# Altium PCB fmuvxX-baseT1.PcbDoc (part 1 of 5)
Units mm, origin at the board's own origin, x right, y up, seen from the top; angles counter-clockwise.
Board outline 88 x 47 mm, 6 copper layers (Top Layer, Layer 2, Signal Layer 3, Signal Layer 4, Layer 5, Bottom Layer), stack 1.548 mm thick; 363 components, 295 nets, 1451 pads, 844 vias.
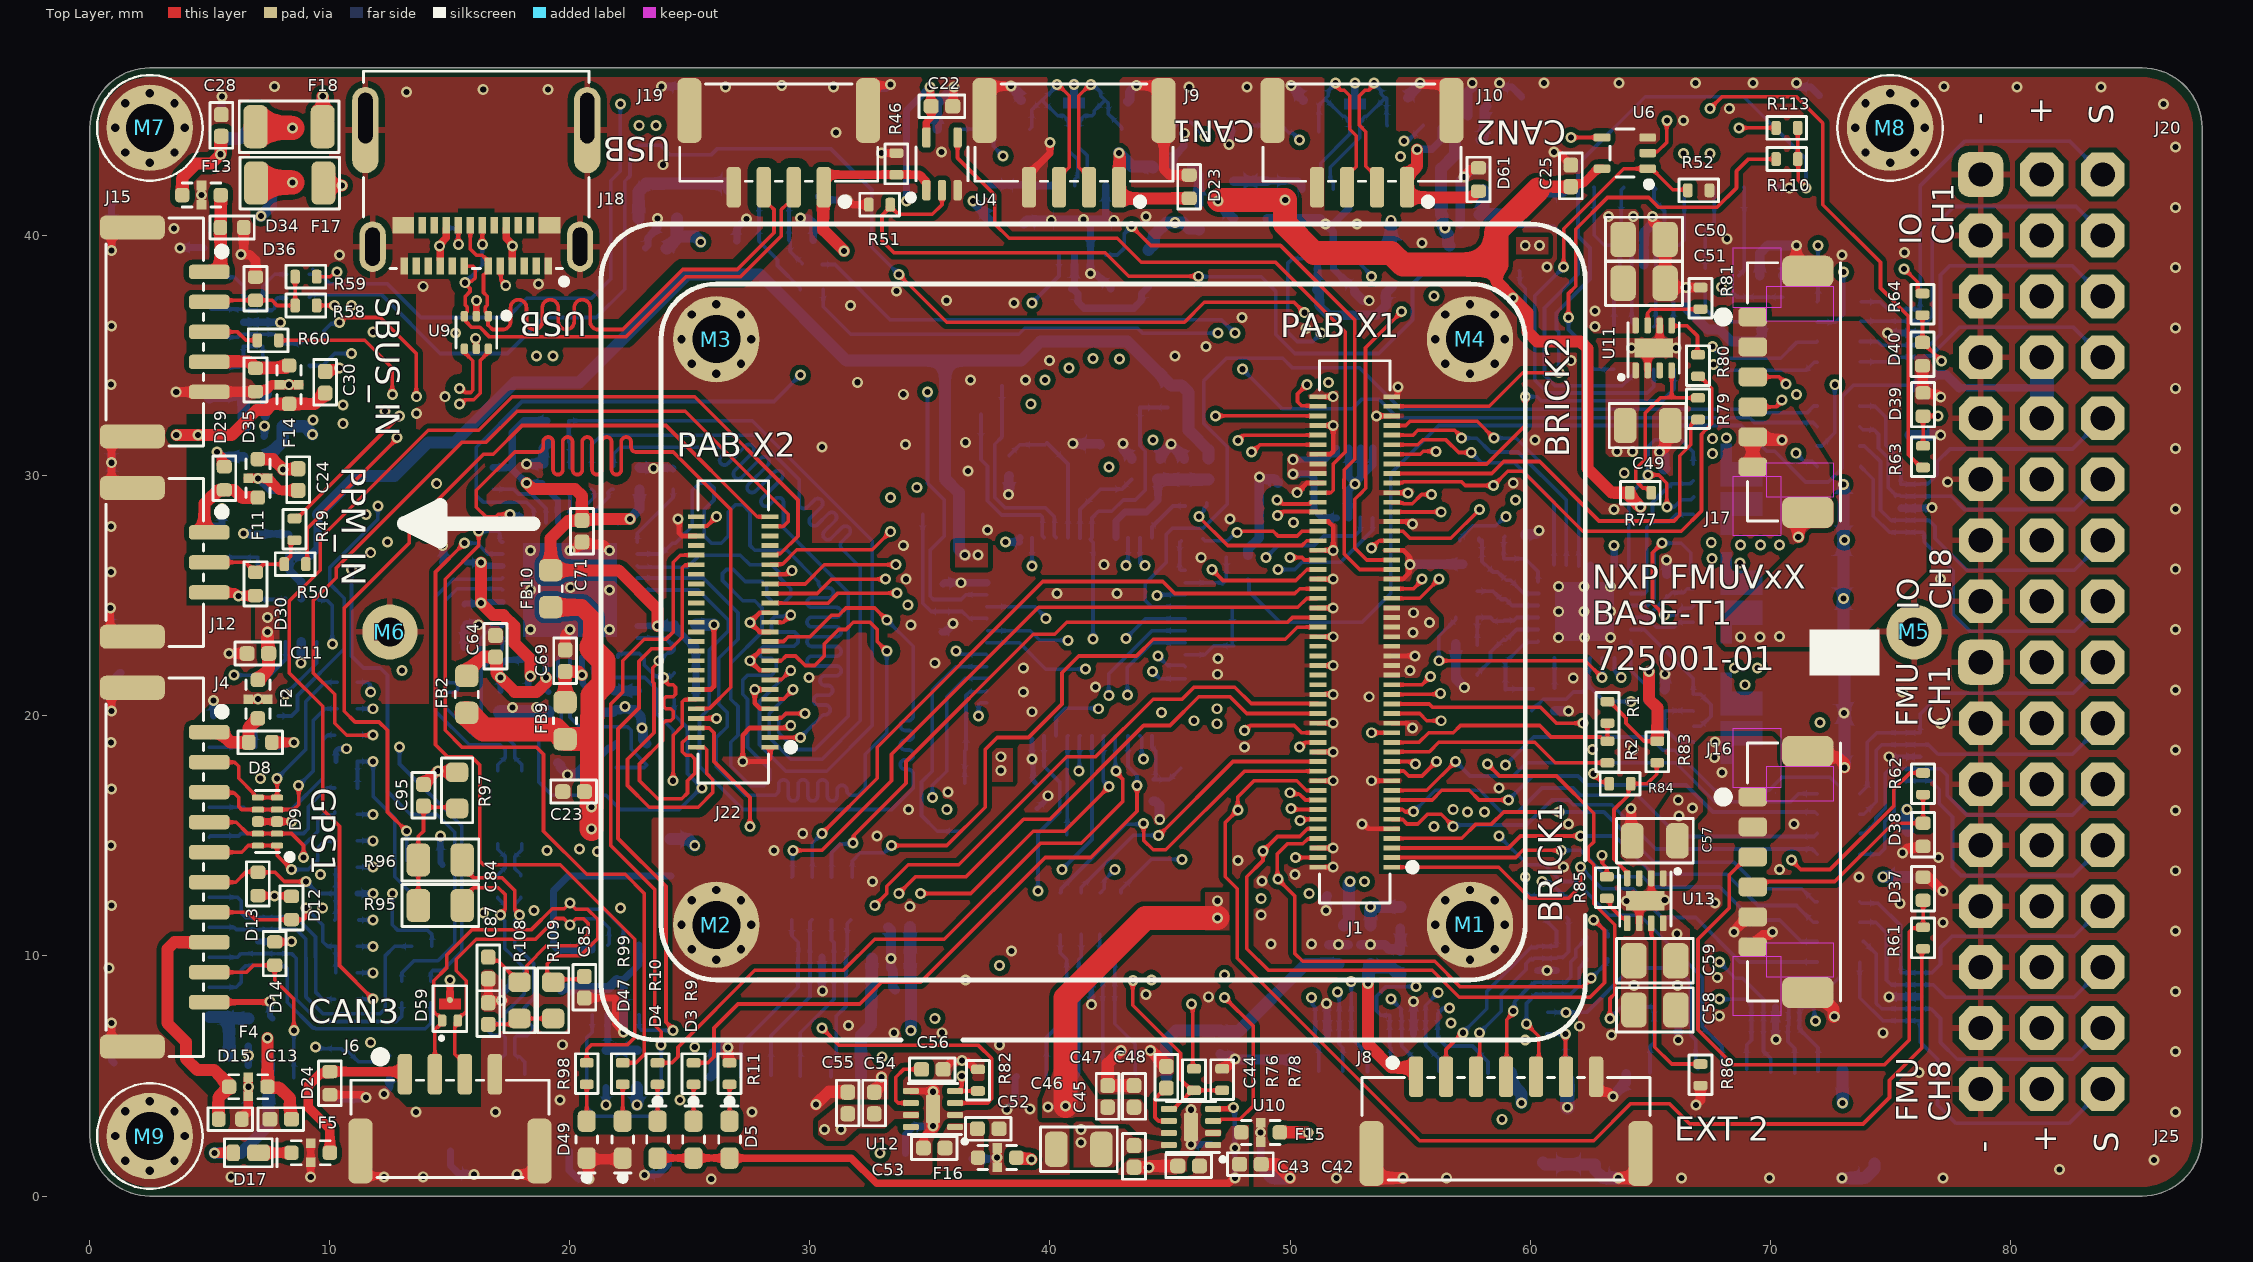
[diagram p0: Top Layer view]
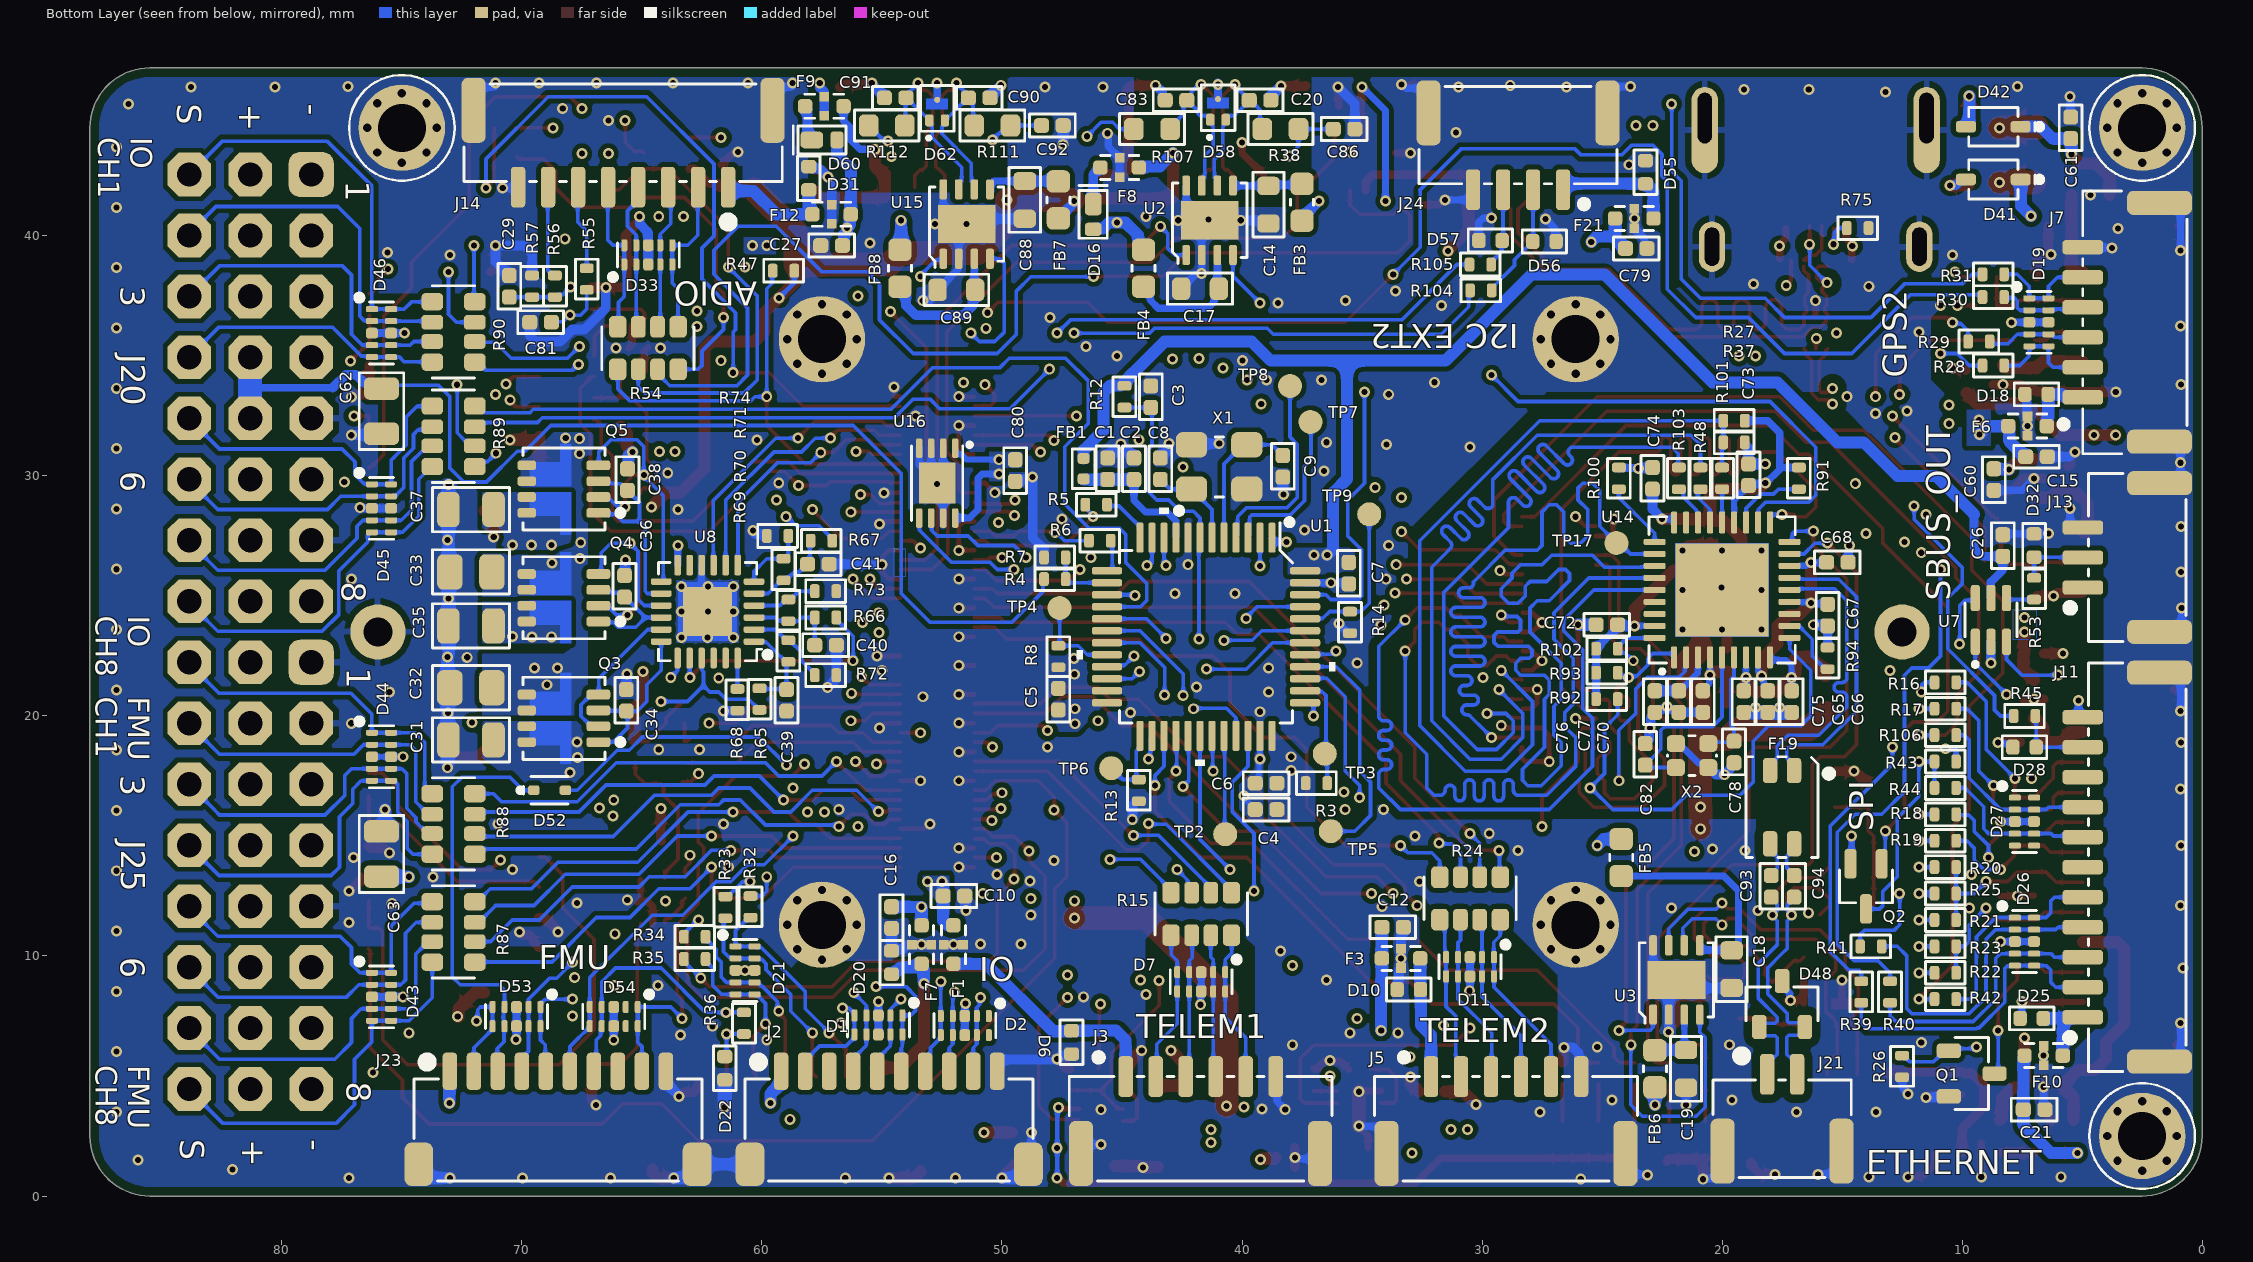
[diagram p1: Bottom Layer view, seen from below]
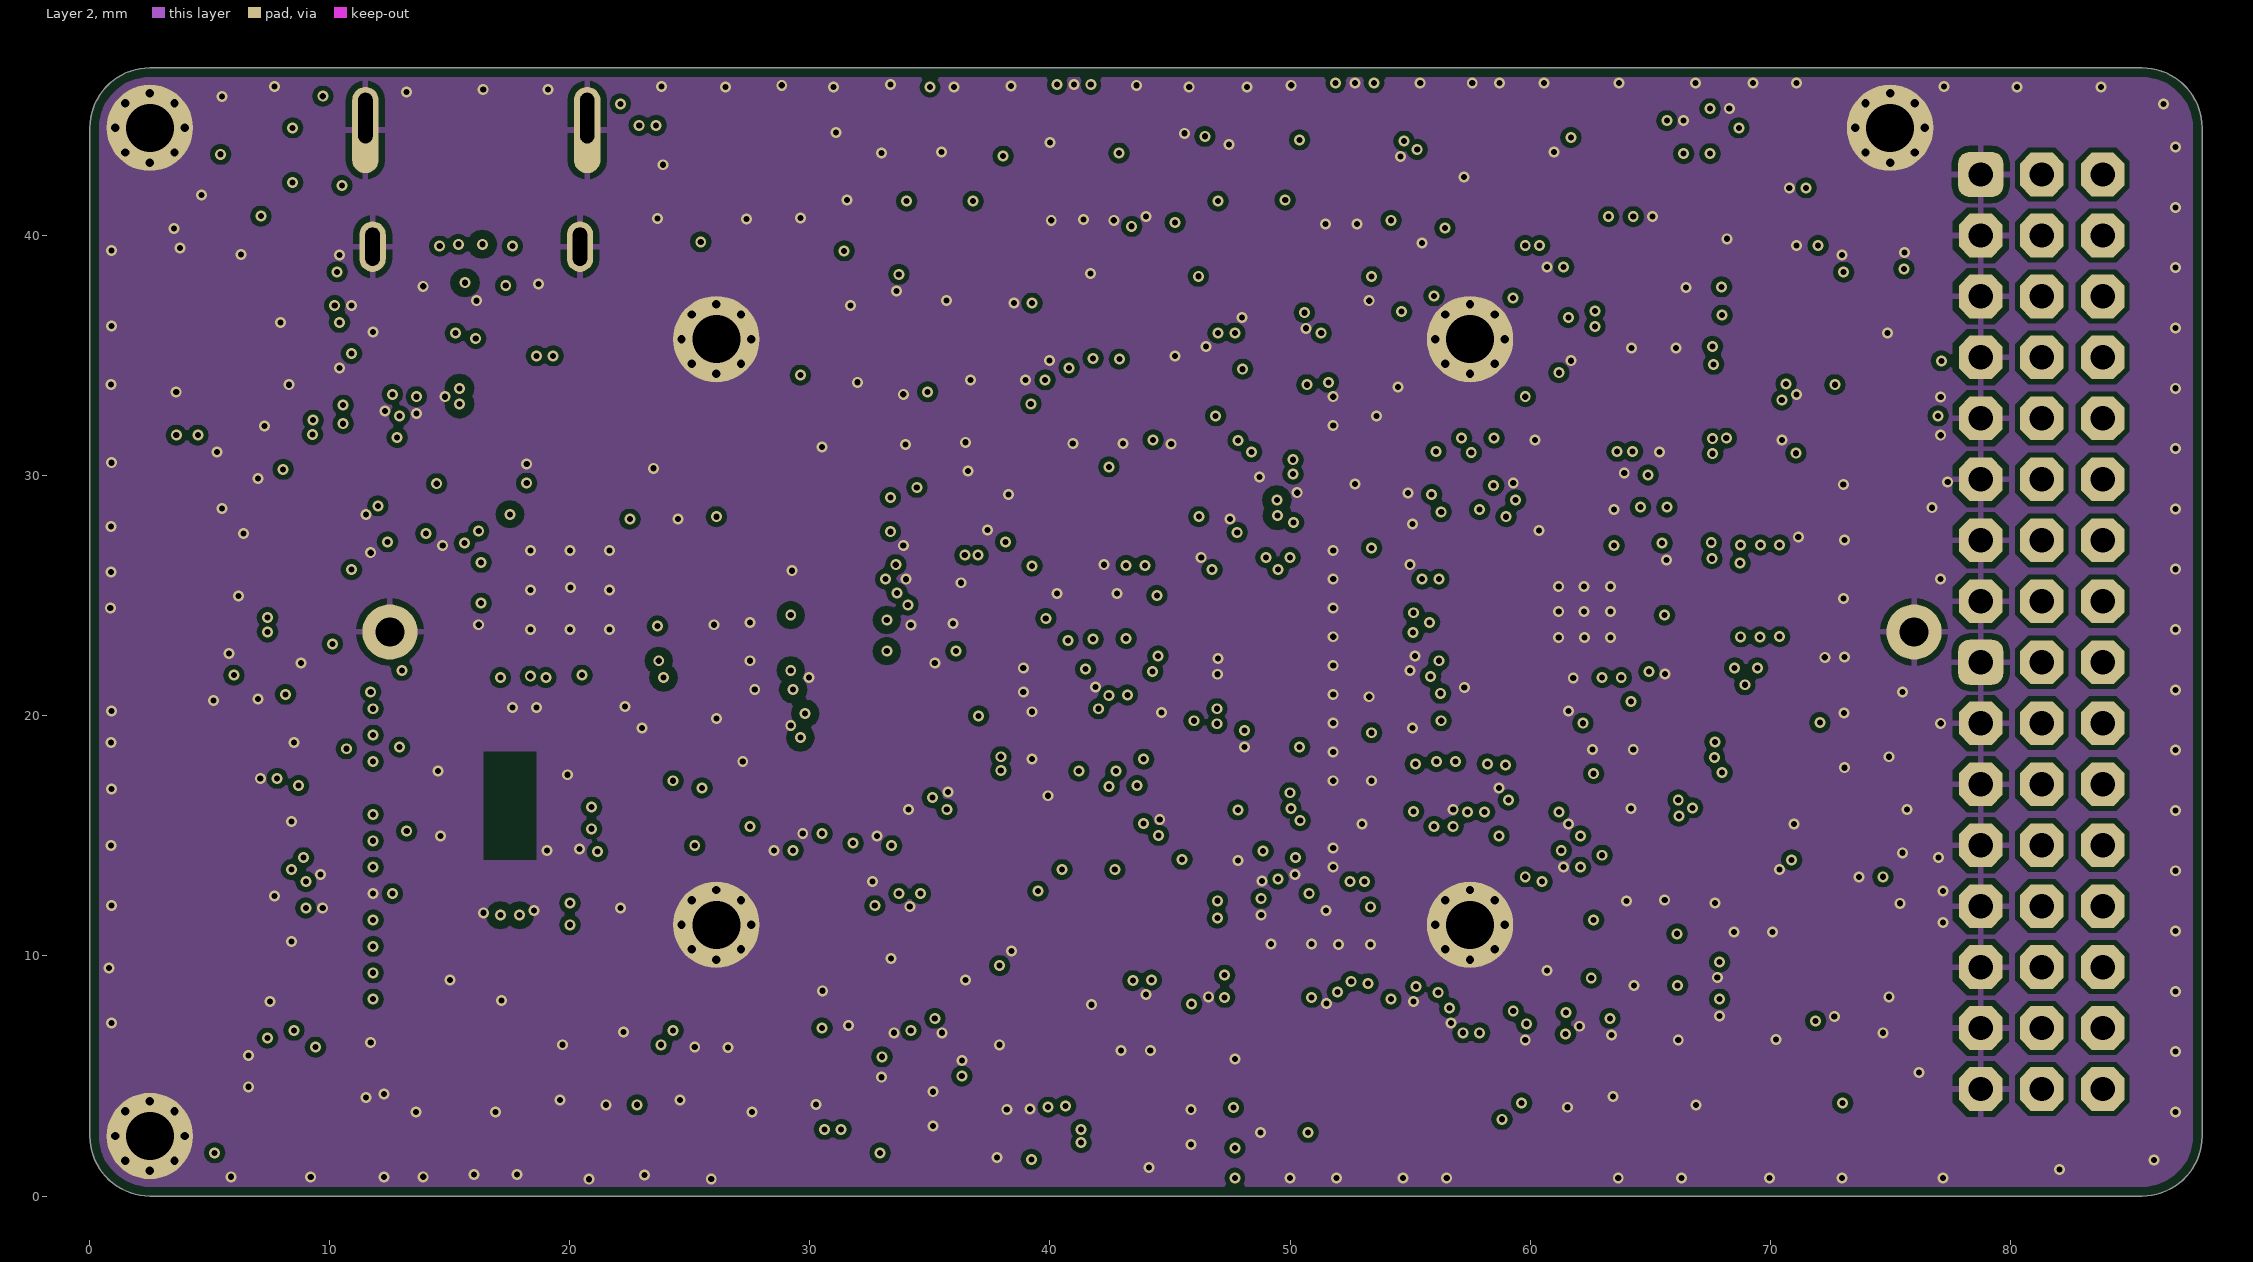
[diagram p2: Layer 2]
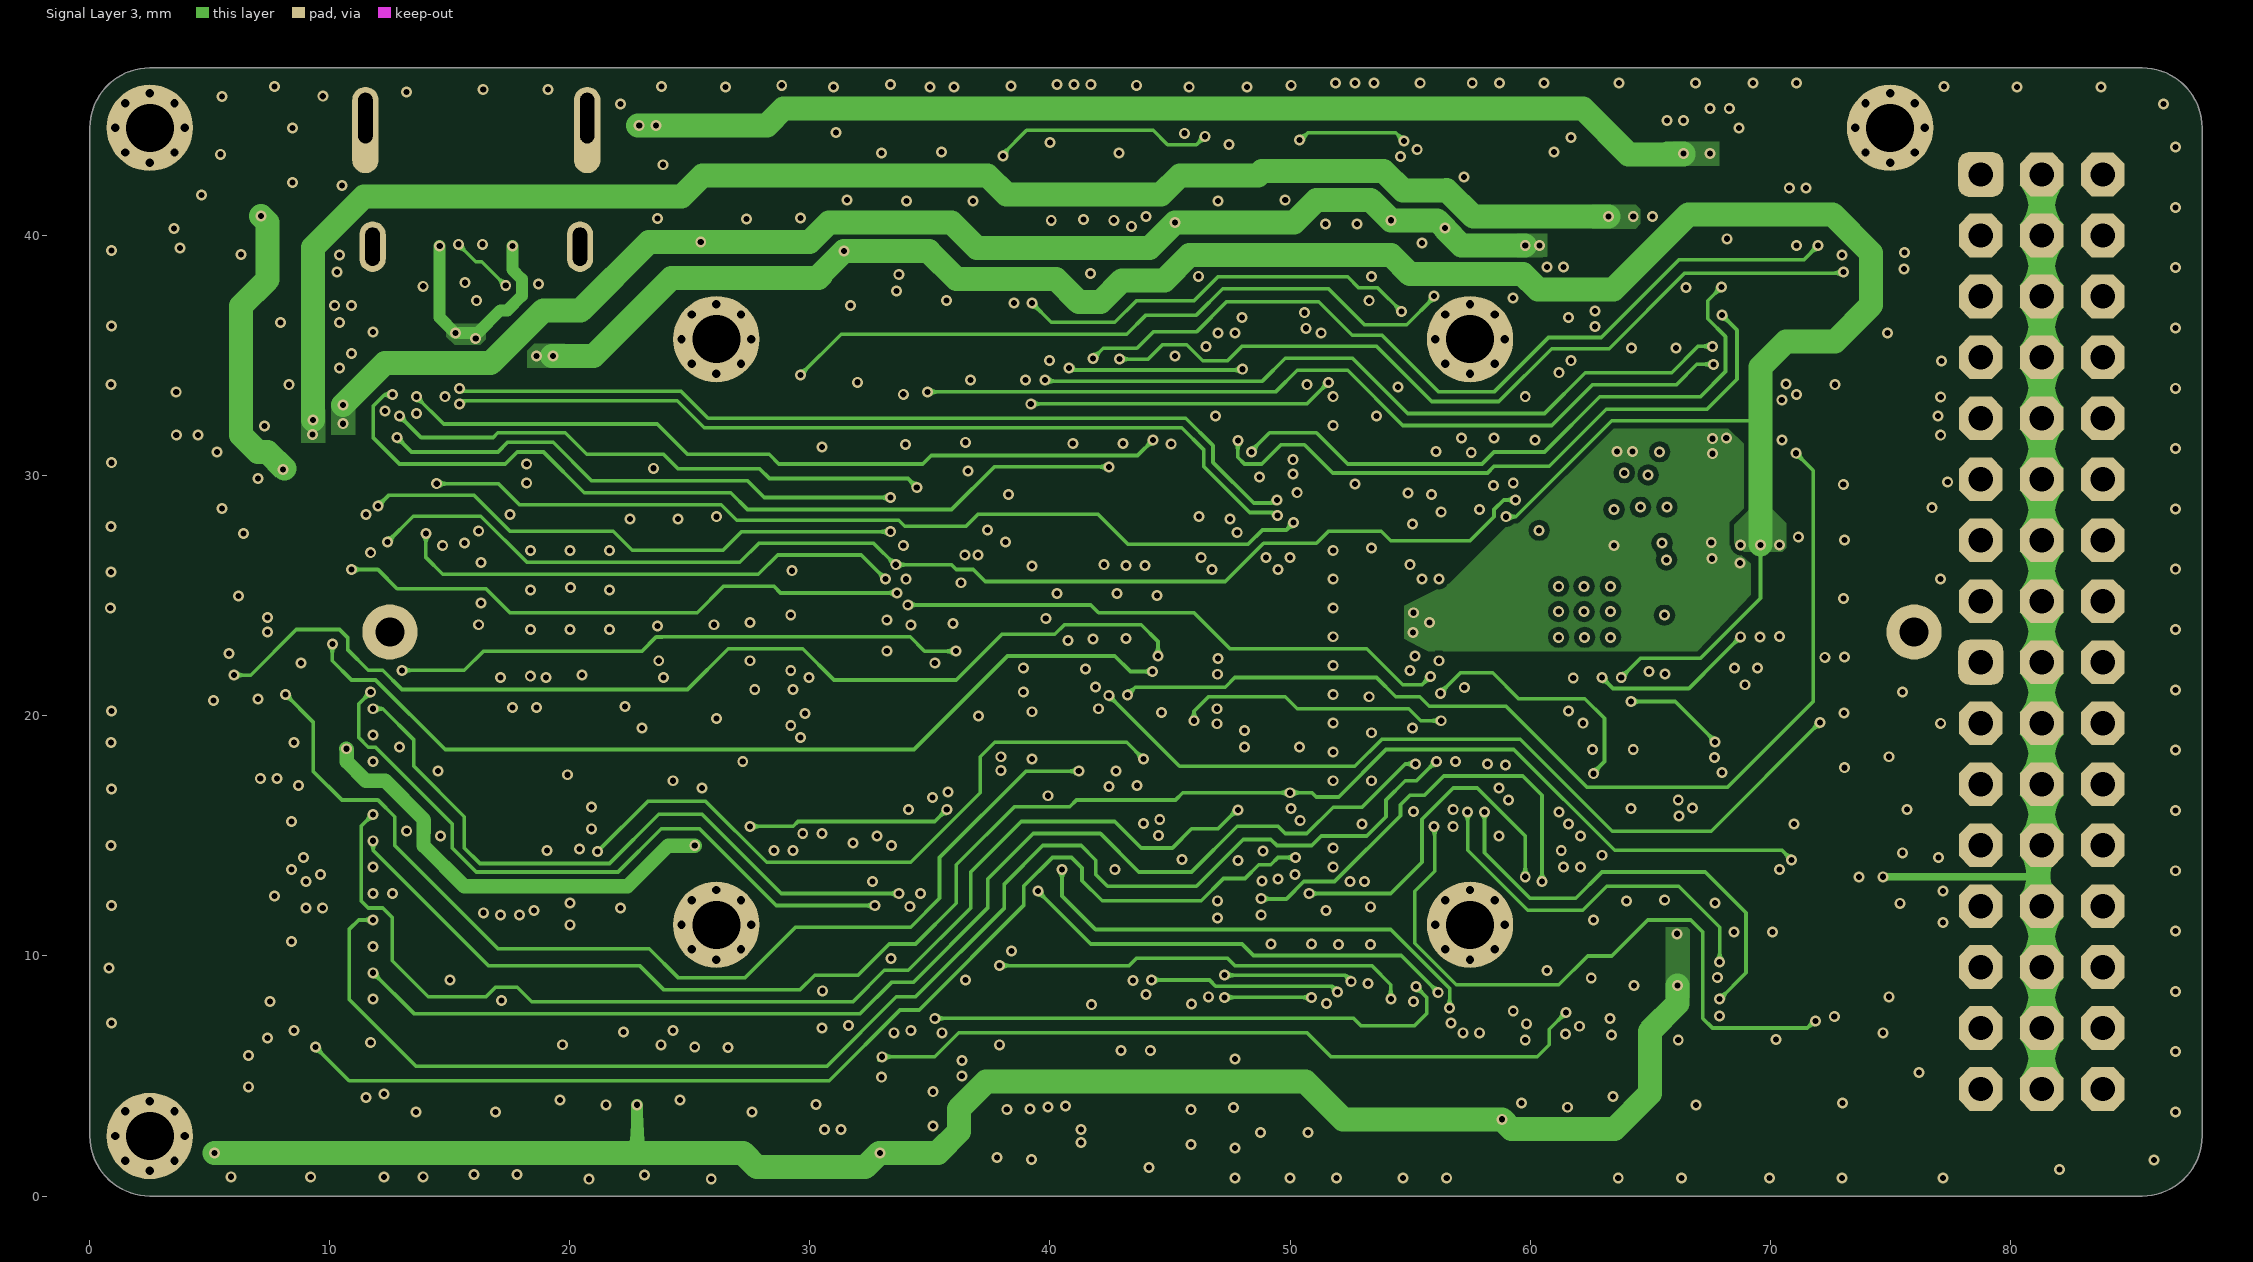
[diagram p3: Signal Layer 3]
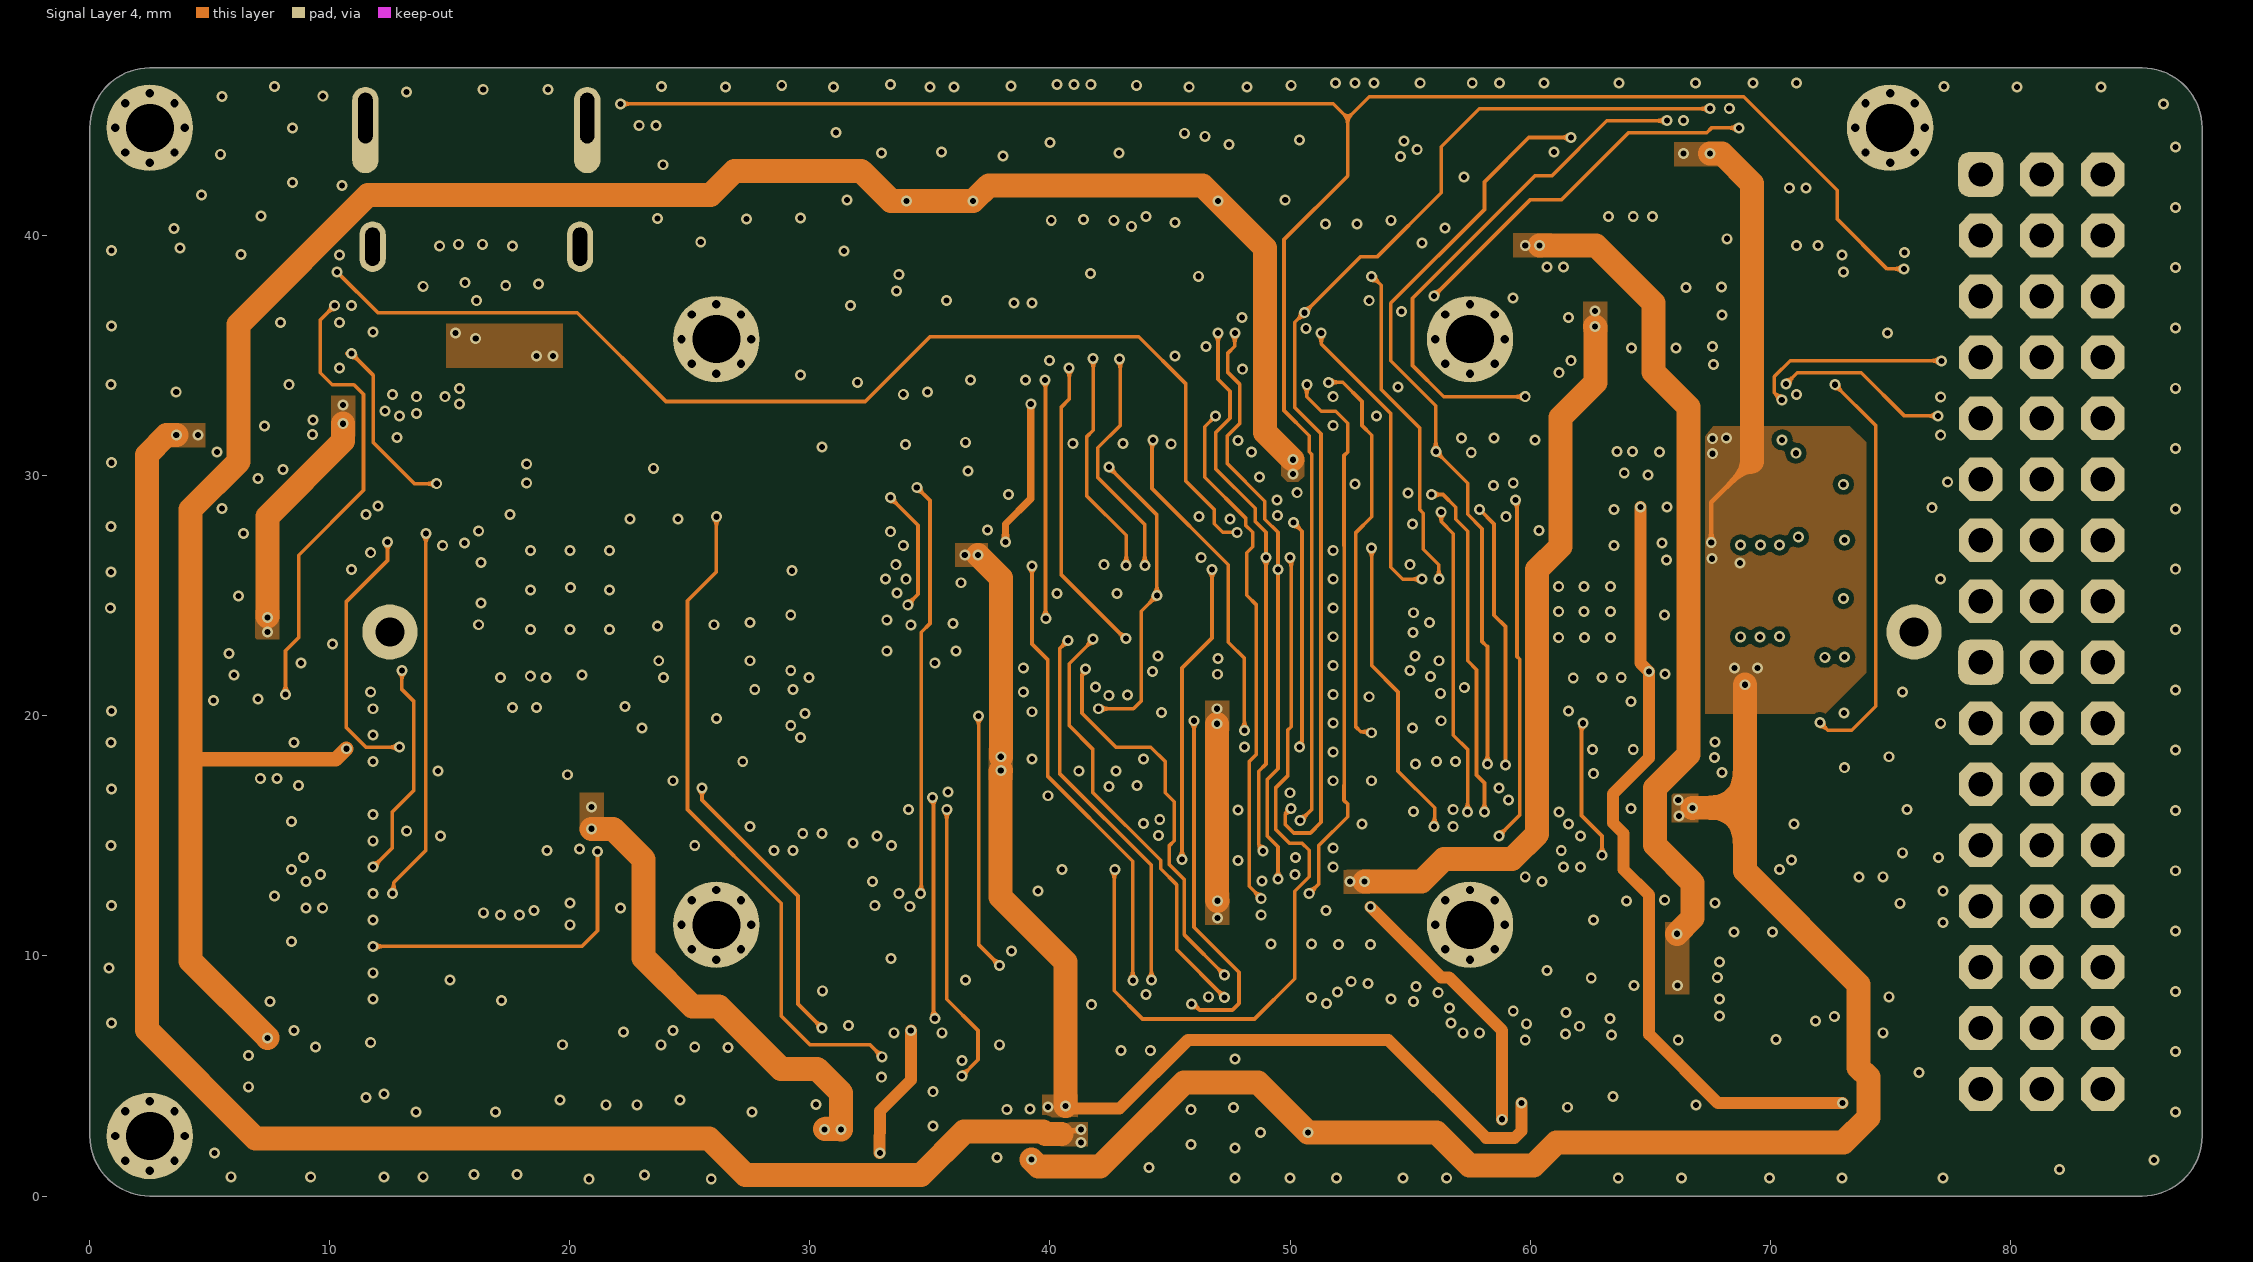
[diagram p4: Signal Layer 4]